# KiCad board Turbo_XT_Mainboard R3.kicad_pcb (continued)
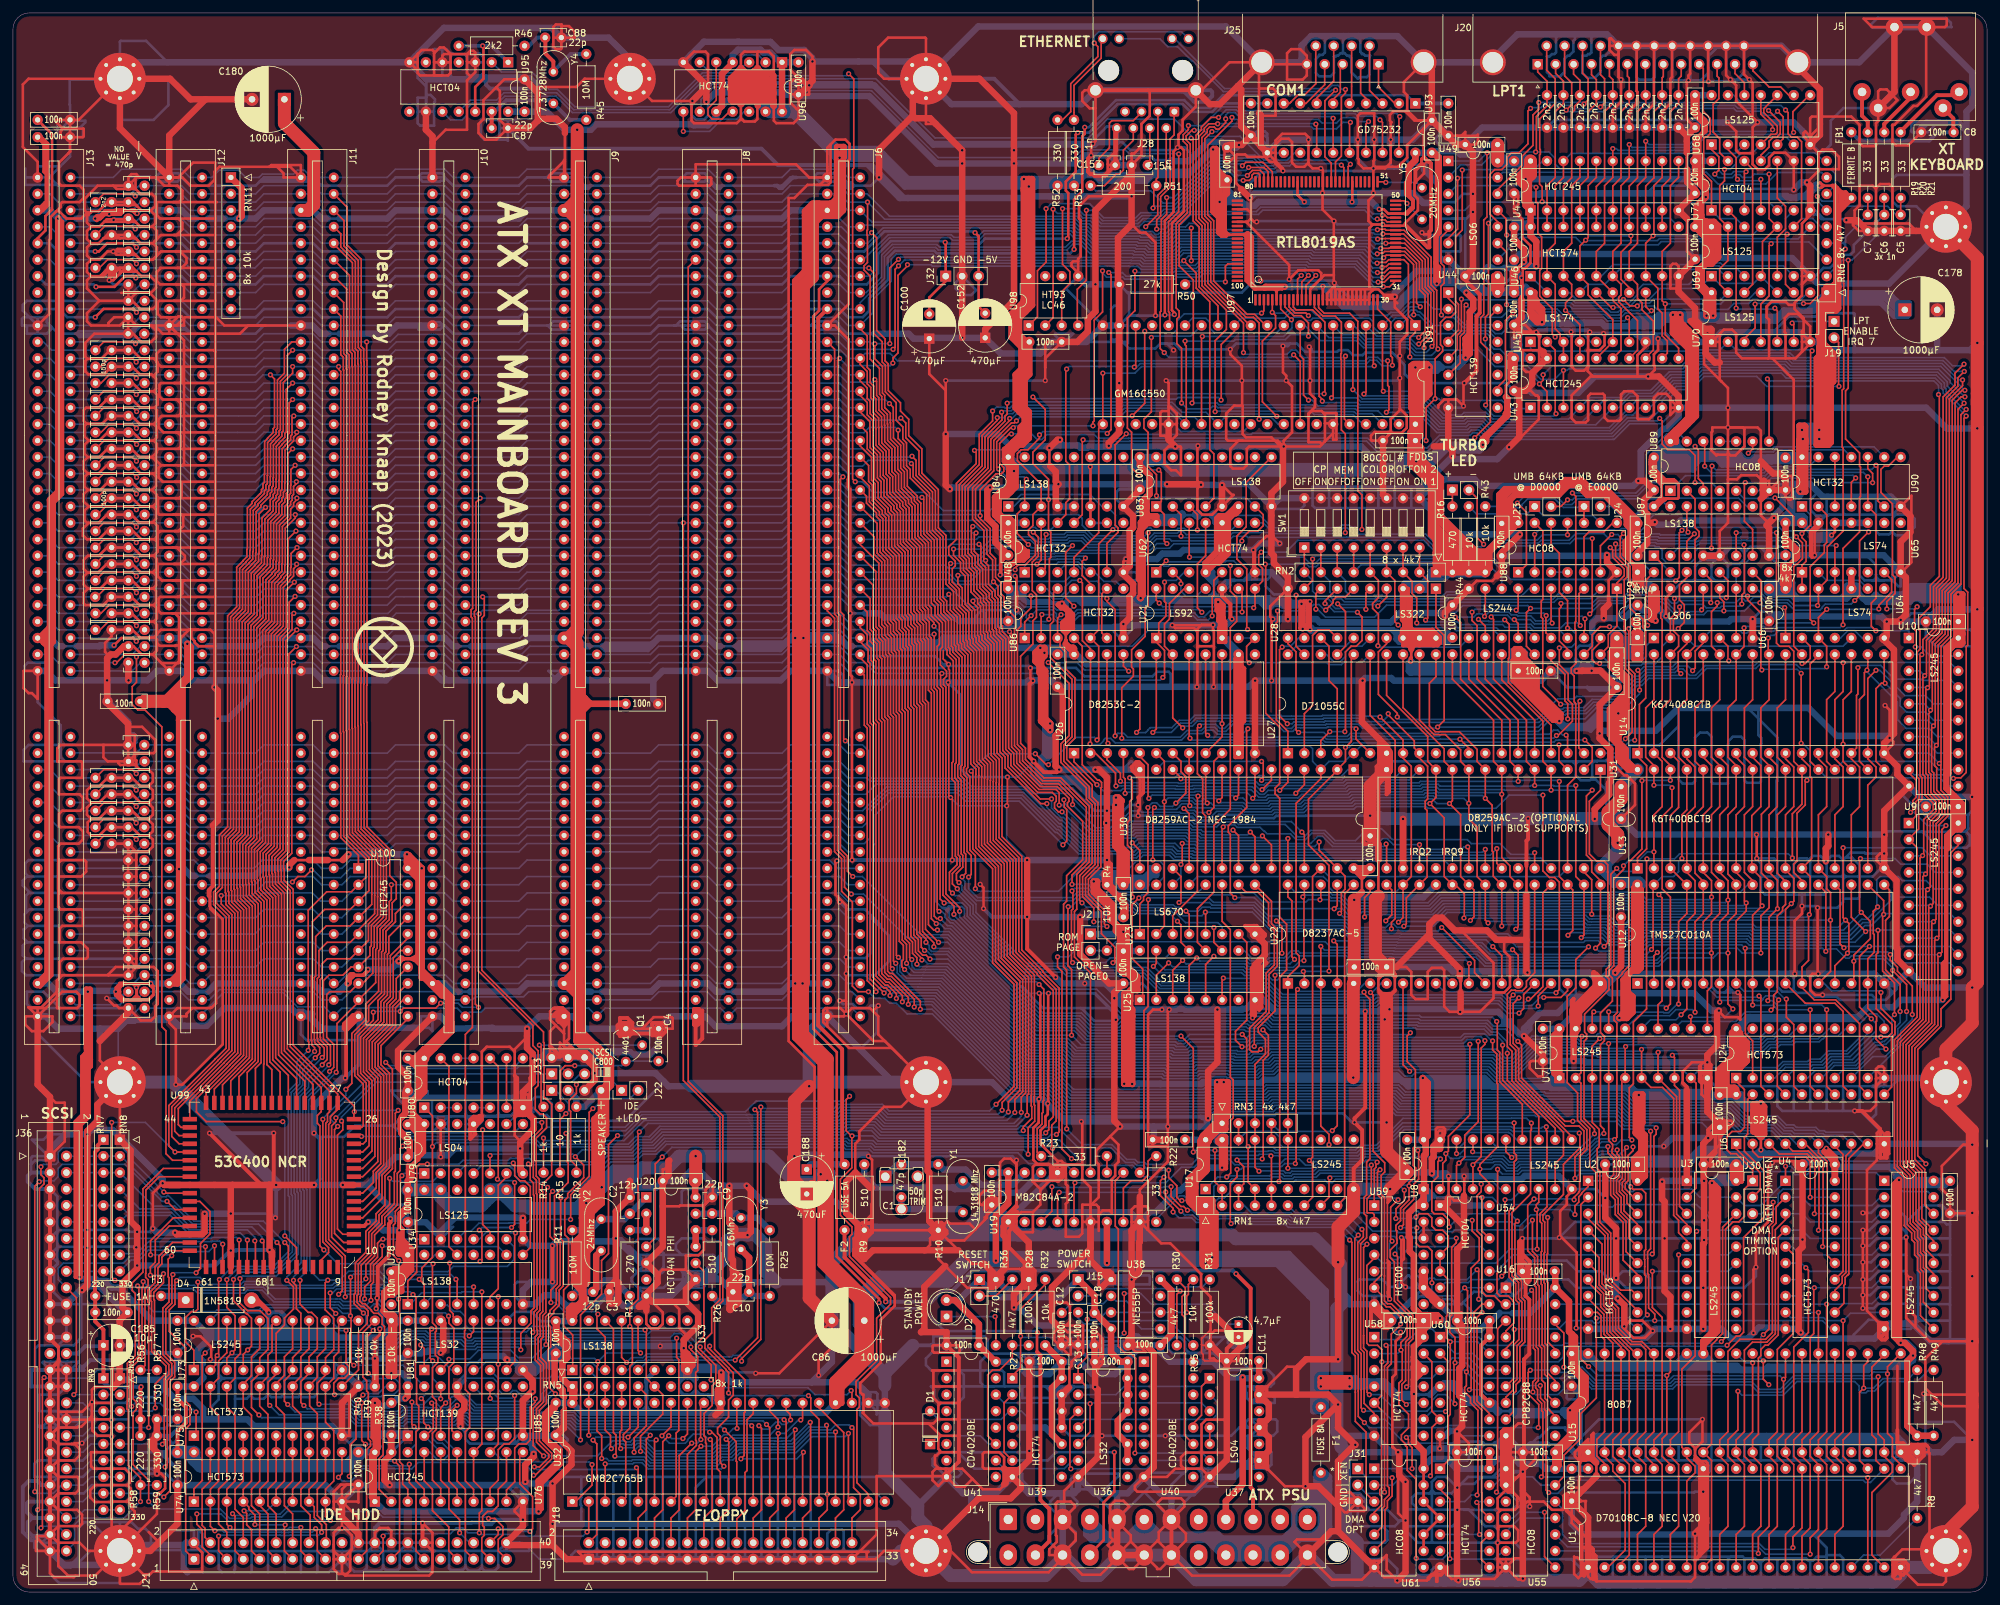
[diagram p0: board, top side]
## Routing (per net, layer and track width the routed paths; a pad name or vN(x,y) marks a point on that pad's centre or on a via; arc(x,y) is an arc through that point) (continued)
  Bottom w0.25: v1(44.32,48.13) 44.32,48.51 45.4,49.59 45.4,62.15 45.21,62.34 45.21,76.2 48.89,79.88 v1(48.89,80.39) ; v1(211.53,209.72) 211.45,209.64 210.32,209.64 210.06,209.91 179.44,209.91 178.45,208.91 177.33,208.91 177.16,208.74 176.02,208.74 175.55,209.21 174.16,209.21 173.98,209.39 167.41,209.39 165.97,210.83 164.64,210.83 163.94,211.54 132.63,211.54 J6.34 128.9,213.36 127.63,214.63 120.01,214.63 118.75,213.36 J8.34 108.58,213.36 107.31,214.63 99.69,214.63 98.42,213.36 J9.34 88.26,213.36 86.99,214.63 79.38,214.63 78.1,213.36 J10.34 67.94,213.36 66.67,214.63 59.05,214.63 57.78,213.36 J11.34 47.62,213.36 46.35,214.63 38.73,214.63 37.46,213.36 J12.34 27.3,213.36 26.03,214.63 C128.1 19.68,214.63 18.56,213.5 9.03,213.5 J13.34 ; U9.8 v1(297.05,100.97) ; v1(301.58,182.62) 301.19,182.62 298.48,185.33 298.48,185.77 298.21,186.05 298.21,186.68 296.98,187.91 273.98,187.91 273.23,188.66 260.8,188.66 258.77,186.63 256.49,186.63 252.74,182.88 U43.8 251.22,182.88 250.1,181.75 249.07,181.75 246.65,179.34 227.72,179.34 226.72,180.34 224.8,180.34 224.41,179.95 220.22,179.95 216.83,183.34 207.92,183.34 207.59,183.68 202.38,183.68 v1(202.16,183.9) ; v1(116.35,25.88) 115.79,26.43 87.33,26.43 86.44,27.33 81.87,27.33 81.68,27.13 70.72,27.13 70.2,27.65 68.24,27.65 67.71,27.13 65.5,27.13 65.07,27.56 63.69,27.56 63.65,27.61 60.37,27.61 59.77,27 53.65,27 52.38,28.27 45.45,28.27 v1(44.92,28.8) ; v1(297.42,127.96) 295.84,129.54 U10.8 ; U91.7 203.17,193.71 207.61,193.71 208.72,192.6 215.46,192.6 216.64,191.42 218.22,191.42 219.1,192.3 v1(219.1,192.35)
/D7: length 851.6
  Top w0.25: v1(301.58,181.59) 301.24,181.26 301.24,154.96 301.82,154.39 301.82,146.22 301.58,145.98 301.58,126.56 300.75,125.73 299.69,125.73 v1(299.6,125.64) ; U10.9 292.74,126.49 293.86,125.37 293.86,122.73 293.33,122.2 293.33,120.74 v1(292.99,120.4) ; v1(298.45,118.36) 297.82,117.74 297.82,98.82 v1(297.43,98.43) 297.22,98.21 297.22,87.54 293.65,83.97 293.65,66.81 295.19,65.27 295.19,59.78 296.54,58.42 ; v1(210.67,210.37) 210.75,210.44 211.84,210.44 212,210.29 214.78,210.29 218.96,206.12 218.96,201.86 219.83,201 219.83,192.13 v1(220.01,191.94) ; v1(48.61,48.16) 48.21,47.76 48.21,43.59 49.53,42.27 49.53,37.46 48.26,36.19 U73.9 48.26,33.53 46.99,32.26 46.99,29.27 v1(47.26,29) ; U91.8 198.75,190.88 199.26,190.37 199.26,184.82 v1(200.03,184.06) ; J11.33 51.56,213.87 51.56,208.03 53.77,205.82 53.77,192.37 54.16,191.98 54.16,190.03 54.22,189.97 54.22,140.23 54.16,140.17 54.16,134.15 54.22,134.09 54.22,117.99 57.66,114.55 57.66,106.81 57.65,106.8 57.65,104.01 56.23,102.6 56.23,99.42 56.01,99.2 56.01,94.11 U100.9 53.34,91.1 50.04,87.8 50.04,80.39 v1(49.91,80.26) ; U32.14 119.38,26.3 v1(119.07,26.61)
  Bottom w0.25: U10.9 293.53,126.2 299.04,126.2 v1(299.6,125.64) ; 296.8,118.36 296.61,118.36 ; 296.8,118.36 295.59,118.36 293.55,120.4 v1(292.99,120.4) ; 296.8,118.36 v1(298.45,118.36) ; U9.9 v1(297.43,98.43) ; v1(119.07,26.61) 118.8,26.88 87.52,26.88 86.63,27.78 81.68,27.78 81.49,27.58 70.9,27.58 70.38,28.1 68.05,28.1 67.53,27.58 65.69,27.58 65.25,28.01 63.88,28.01 63.83,28.06 60.18,28.06 59.58,27.45 53.83,27.45 52.29,29 v1(47.26,29) ; v1(220.01,191.94) 219.04,190.97 216.45,190.97 215.27,192.15 208.53,192.15 207.43,193.26 201.78,193.26 199.45,195.58 U91.8 ; v1(210.67,210.37) 183.46,210.37 182.47,211.36 181.59,211.36 181.04,210.81 179.07,210.81 178.07,209.81 176.96,209.81 176.79,209.64 176.39,209.64 175.92,210.11 174.56,210.11 174.37,210.29 167.78,210.29 166.34,211.73 165.01,211.73 164.31,212.44 135.35,212.44 131.89,215.9 J6.33 128.9,215.9 127.63,217.17 120.01,217.17 118.75,215.9 J8.33 108.46,215.9 107.19,217.17 99.69,217.17 98.42,215.9 J9.33 88.14,215.9 86.87,217.17 79.38,217.17 78.1,215.9 J10.33 67.94,215.9 66.67,217.17 59.05,217.17 57.78,215.9 J11.33 47.62,215.9 46.35,217.17 38.73,217.17 37.46,215.9 J12.33 27.3,215.9 26.03,217.17 C129.1 19.46,217.17 18.19,215.9 J13.33 ; U34.6 77.33,53.36 77.33,51.29 76.33,50.29 68,50.29 67.18,49.47 60.13,49.47 58.94,48.28 57.88,48.28 56.61,49.55 51.84,49.55 50.45,48.16 v1(48.61,48.16) 47.34,48.16 45.85,49.66 45.85,62.33 45.66,62.52 45.66,76.01 v1(49.91,80.26) ; v1(200.03,184.06) 200.59,184.06 201.48,183.17 207.46,183.17 207.73,182.89 216.65,182.89 220.04,179.5 224.6,179.5 224.98,179.89 226.54,179.89 227.54,178.89 246.84,178.89 249.25,181.3 253.06,181.3 U43.9 254.63,184.01 256.81,186.18 258.95,186.18 260.98,188.21 273.04,188.21 273.79,187.46 296.79,187.46 297.76,186.5 297.76,185.86 298.03,185.59 298.03,185.14 v1(301.58,181.59)
/D8: length 128.2
  Bottom w0.25: J6.91 128.9,106.68 127.63,107.95 120.01,107.95 118.75,106.68 J8.91 108.58,106.68 107.31,107.95 99.69,107.95 98.42,106.68 J9.91 88.26,106.68 86.99,107.95 79.38,107.95 78.1,106.68 J10.91 67.94,106.68 66.67,107.95 52.07,107.95 50.8,106.68 J11.91 47.5,106.68 46.23,107.95 38.61,107.95 37.34,106.68 J12.91 27.3,106.68 26.03,107.95 C169.1 19.05,106.68 J13.91
/D9: length 128.2
  Bottom w0.25: J13.92 19.05,104.14 C170.1 26.03,105.41 27.3,104.14 J12.92 37.46,104.14 38.73,105.41 46.35,105.41 47.62,104.14 J11.92 50.8,104.14 52.07,105.41 66.67,105.41 67.94,104.14 J10.92 78.1,104.14 79.38,105.41 86.99,105.41 88.26,104.14 J9.92 98.42,104.14 99.69,105.41 107.31,105.41 108.58,104.14 J8.92 118.75,104.14 120.01,105.41 127.63,105.41 128.9,104.14 J6.92
/D10: length 128.2
  Bottom w0.25: J6.93 128.9,101.6 127.63,102.87 120.01,102.87 118.75,101.6 J8.93 108.58,101.6 107.31,102.87 99.69,102.87 98.42,101.6 J9.93 88.26,101.6 86.99,102.87 79.38,102.87 78.1,101.6 J10.93 67.94,101.6 66.67,102.87 52.07,102.87 50.8,101.6 J11.93 47.62,101.6 46.35,102.87 38.61,102.87 37.34,101.6 J12.93 27.3,101.6 26.03,102.87 C171.1 19.05,101.6 J13.93
/D11: length 128.2
  Bottom w0.25: J6.94 128.9,99.06 127.63,100.33 120.01,100.33 118.75,99.06 J8.94 108.58,99.06 107.31,100.33 99.69,100.33 98.42,99.06 J9.94 88.26,99.06 86.99,100.33 79.38,100.33 78.1,99.06 J10.94 67.94,99.06 66.67,100.33 52.07,100.33 50.8,99.06 J11.94 47.62,99.06 46.35,100.33 38.73,100.33 37.46,99.06 J12.94 27.3,99.06 26.03,100.33 C172.1 19.05,99.06 J13.94
/D12: length 128.6
  Bottom w0.25: J13.95 19.05,96.52 C173.1 26.03,97.79 27.3,96.52 J12.95 37.46,96.52 38.73,97.79 46.35,97.79 47.62,96.52 J11.95 50.8,96.52 52.07,97.79 58.67,97.79 59.12,98.23 59.9,98.23 60.35,97.79 66.67,97.79 67.94,96.52 J10.95 78.1,96.52 79.38,97.79 86.99,97.79 88.26,96.52 J9.95 98.42,96.52 99.69,97.79 107.31,97.79 108.58,96.52 J8.95 118.75,96.52 120.01,97.79 127.63,97.79 128.9,96.52 J6.95
/D13: length 128.2
  Bottom w0.25: J13.96 18.62,93.98 19.89,95.25 C174.1 26.03,95.25 27.3,93.98 J12.96 30.48,95.25 48.26,95.25 J11.96 50.16,93.98 51.43,95.25 66.8,95.25 68.07,93.98 J10.96 78.1,93.98 79.38,95.25 86.99,95.25 88.26,93.98 J9.96 98.42,93.98 99.69,95.25 107.31,95.25 108.58,93.98 J8.96 118.75,93.98 120.01,95.25 127.63,95.25 128.9,93.98 J6.96
/D14: length 129.1
  Bottom w0.25: J13.97 9.63,90.7 16.53,90.7 17.25,91.42 19.03,91.42 C175.1 25.88,92.71 27.15,91.44 J12.97 30.29,91.44 31.88,93.03 41.88,93.03 42.21,92.71 46.35,92.71 47.62,91.44 J11.97 50.8,91.44 52.07,92.71 66.67,92.71 67.94,91.44 J10.97 70.93,91.44 71.4,91.91 78.83,91.91 79.63,92.71 86.97,92.71 88.24,91.44 J9.97 98.45,91.44 99.72,92.71 107.19,92.71 108.46,91.44 J8.97 118.75,91.44 120.01,92.71 129.54,92.71 J6.97
/D15: length 130.7
  Bottom w0.25: J13.98 9.03,89.04 18.36,89.04 19.49,90.17 C176.1 27.94,90.17 J12.98 29.21,89.28 32.51,92.58 41.7,92.58 43.93,90.35 48.08,90.35 J11.98 50.8,90.17 54.74,90.17 54.83,90.26 59.31,90.26 59.44,90.39 60.14,90.39 60.36,90.17 68.58,90.17 J10.98 70.48,89.53 72.26,89.53 72.9,90.17 88.9,90.17 J9.98 91.44,90.17 109.22,90.17 J8.98 111.76,90.17 125.29,90.17 125.35,90.23 129.48,90.23 J6.98
/DEN: length 31.7
  Top w0.25: v1(236.96,57.85) 236.96,52.24 236.85,52.14 236.85,47.94 237,47.8 237,38.6 238.12,37.47 U16.16
  Bottom w0.25: v1(236.96,57.85) 236.56,58.25 234.35,58.25 232.66,56.55 231.93,56.55 231.34,57.15 U54.13
/DENSEL: length 28.1
  Top w0.25: v1(89.57,23.46) 90.15,22.87 90.15,8.87 J18.2 ; U32.36 96.52,25.46 v1(94.97,23.91)
  Bottom w0.25: v1(89.57,23.46) 90.02,23.91 v1(94.97,23.91)
/DMA_ADSTB: length 95
  Top w0.25: v1(215.64,80.41) 214.63,81.42 U22.8
  Bottom w0.25: v1(215.64,80.41) 215.91,80.68 227.71,80.68 229.07,79.32 235.78,79.32 237.36,80.9 237.36,80.9 237.43,80.96 259.42,80.96 259.43,80.97 272.34,80.97 273.29,81.91 277.09,81.91 277.48,82.3 279.02,82.3 280.29,83.57 283.08,83.57 285.12,85.6 285.12,87.76 286.64,89.28 287.77,89.28 288.93,88.13 U24.11
/DMACLK: length 157.2
  Top w0.25: U22.12 224.79,96.98 v1(224.87,97.06) ; v1(169.84,97.18) 170.12,97.46 170.12,99.61 168.06,101.67 168.06,105.09 165.6,107.55 165.6,110.26 167.52,112.18 167.52,121.91 166.63,122.8 166.63,124.65 162.7,128.58 162.7,130.6 163.97,131.86 163.97,141.14 162.56,142.55 162.56,145.16 161.67,146.05 161.67,146.94 U86.3 161.29,150.39 v1(161.82,150.92) ; U62.11 184.15,160.04 182.88,158.77 182.88,151.98 v1(183.57,151.29)
  Bottom w0.25: v1(169.84,97.18) 170,97.34 176.6,97.34 177.84,96.1 189.89,96.1 190.3,95.68 194.24,95.68 194.56,96.01 197.89,96.01 198.49,96.61 205.58,96.61 206.61,97.65 212.63,97.65 212.69,97.58 224.35,97.58 v1(224.87,97.06) ; v1(183.57,151.29) 183.17,151.69 164.3,151.69 163.53,150.92 v1(161.82,150.92)
/DRQ1: length 317.6
  Top w0.25: C111.2 12.81,173.99 14.08,175.26 18.44,175.26 v1(19.06,174.63) ; v1(145.8,108.6) 145.05,109.36 145.05,110.96 146.21,112.12 146.21,113.56 145.96,113.82 145.96,125.18 145.43,125.7 145.43,127.86 145.63,128.07 145.63,143.99 144.66,144.96 144.66,145.66 144.44,145.88 144.44,150 143.27,151.18 143.27,152.65 142.7,153.22 142.7,162.61 141.52,163.78 141.52,169.68 138.98,172.22 138.98,173.98 v1(138.71,174.26) ; v1(236.35,91.82) 239,91.82 240.03,92.85 U22.18
  Bottom w0.25: v1(236.35,91.82) 235.78,91.82 234.53,90.57 230.87,90.57 229.67,91.77 213.14,91.77 213.11,91.79 210.54,91.79 210.13,91.39 195.66,91.39 193.41,93.64 177.25,93.64 174.89,96.01 163.08,96.01 162.44,96.64 156.34,96.64 148.24,104.74 148.24,106.03 145.8,108.47 v1(145.8,108.6) ; J13.18 5.71,175.26 6.98,173.99 C111.2 ; v1(19.06,174.63) 19.06,174.64 19.68,175.26 J12.18 26.03,175.26 27.3,173.99 37.46,173.99 38.73,175.26 J11.18 46.35,175.26 47.62,173.99 57.78,173.99 59.05,175.26 J10.18 66.67,175.26 67.94,173.99 78.1,173.99 79.38,175.26 J9.18 86.99,175.26 88.26,173.99 98.42,173.99 99.69,175.26 J8.18 107.31,175.26 108.58,173.99 118.75,173.99 120.01,175.26 J6.18 127.63,175.26 129.04,173.86 131.18,173.86 132.08,174.75 138.21,174.75 v1(138.71,174.26)
/DRQ2: length 550.5
  Top w0.25: v1(112.39,20.57) 112.89,21.06 112.89,27.67 113.03,27.81 113.03,32.77 108.33,37.46 108.33,43.69 109.6,44.96 109.6,73.53 104.27,78.87 104.27,204.6 J8.6 ; v1(132.15,204.46) 132.9,203.71 132.9,194.38 134.21,193.07 134.21,189.94 134.7,189.45 134.7,185.34 136.36,183.67 136.36,180.94 137.4,179.91 137.4,178.02 137.96,177.45 137.96,173.93 138.53,173.36 138.53,172.04 141.07,169.5 141.07,163.59 142.25,162.42 142.25,153.03 142.82,152.46 142.82,150.99 143.99,149.81 143.99,145.69 144.21,145.47 144.21,144.77 145.18,143.8 145.18,128.25 144.98,128.05 144.98,125.51 145.51,124.99 145.51,113.63 145.76,113.38 145.76,112.31 144.6,111.14 144.6,108.4 v1(145.06,107.93) ; U32.15 121.92,21.46 v1(122.05,21.59) ; U22.17 237.43,93.98 235.5,92.05 v1(235.5,90.49) ; v1(19.06,205.11) 18.44,205.74 14.6,205.74 13.33,204.47 C102.2
  Bottom w0.25: J13.6 5.71,205.74 6.98,204.47 C102.2 ; v1(235.5,90.49) 235.13,90.12 230.69,90.12 229.49,91.32 212.95,91.32 212.93,91.34 210.72,91.34 210.32,90.94 195.47,90.94 193.22,93.19 177.07,93.19 174.7,95.56 162.89,95.56 162.26,96.19 156.16,96.19 147.79,104.55 147.79,105.85 146.11,107.53 145.46,107.53 v1(145.06,107.93) ; v1(112.39,20.57) 121.03,20.57 v1(122.05,21.59) ; v1(19.06,205.11) 19.06,205.12 19.68,205.74 J12.6 26.03,205.74 27.3,204.47 37.37,204.47 38.64,205.74 J11.6 46.35,205.74 47.62,204.47 57.78,204.47 59.05,205.74 J10.6 66.67,205.74 67.94,204.47 78.1,204.47 79.38,205.74 J9.6 86.99,205.74 88.26,204.47 98.42,204.47 99.69,205.74 J8.6 107.31,205.74 108.58,204.47 118.75,204.47 120.01,205.74 J6.6 127.63,205.74 128.91,204.46 v1(132.15,204.46)
/DRQ3: length 319.5
  Top w0.25: C109.2 13.59,179.07 14.86,180.34 18.44,180.34 v1(19.06,179.71) ; U22.16 233.25,92.28 233.25,90.1 v1(232.54,89.39) ; v1(136.67,179.42) 136.67,178.11 137.51,177.27 137.51,173.74 138.08,173.17 138.08,170.77 139.62,169.23 139.62,168.69 140.17,168.14 140.17,163.22 141.35,162.05 141.35,152.39 141.8,151.94 141.8,150.74 143.04,149.5 143.04,146.36 142.7,146.02 142.7,139.82 143.15,139.37 143.15,107.03 v1(143.77,106.41)
  Bottom w0.25: v1(136.67,179.42) 136.26,179.83 132.21,179.83 131.4,179.02 128.95,179.02 127.63,180.34 J6.16 120.01,180.34 118.75,179.07 108.58,179.07 107.31,180.34 J8.16 99.69,180.34 98.42,179.07 88.26,179.07 86.99,180.34 J9.16 79.38,180.34 78.1,179.07 67.94,179.07 66.67,180.34 J10.16 59.05,180.34 57.78,179.07 47.62,179.07 46.35,180.34 J11.16 38.73,180.34 37.46,179.07 27.3,179.07 26.03,180.34 J12.16 19.68,180.34 19.06,179.72 v1(19.06,179.71) ; C109.2 6.98,179.07 5.71,180.34 J13.16 ; v1(232.54,89.39) 230.77,89.39 229.3,90.87 212.77,90.87 212.74,90.89 210.91,90.89 210.5,90.49 195.29,90.49 193.06,92.71 176.91,92.71 174.52,95.11 162.7,95.11 162.07,95.74 155.97,95.74 147.34,104.37 147.34,105.66 146.6,106.41 v1(143.77,106.41)
/DSW1: length 53.9
  Top w0.25: SW1.1 RN2.9
  Bottom w0.25: U29.2 243.59,153.42 238.51,153.42 237.93,152.84 223.59,152.84 222.88,153.54 221.77,153.54 221.14,152.91 211.18,152.91 211.07,153.02 210.57,153.02 210.46,152.91 205.57,152.91 205.12,153.36 203.74,153.36 203.29,153.81 201.39,153.81 200.66,154.54 200.66,156.21 RN2.9
/DSW2: length 45.9
  Top w0.25: SW1.2 RN2.8
  Bottom w0.25: U29.4 239.23,154.14 238.6,154.14 237.74,153.29 223.78,153.29 223.07,153.99 221.56,153.99 220.93,153.36 211.36,153.36 211.25,153.47 210.39,153.47 210.28,153.36 205.79,153.36 205.34,153.81 203.93,153.81 203.34,154.4 203.34,156.07 RN2.8
/DSW3: length 37.9
  Top w0.25: SW1.3 RN2.7
  Bottom w0.25: RN2.7 205.74,156.21 205.74,154.54 206.47,153.81 210.09,153.81 210.2,153.92 211.44,153.92 211.55,153.81 220.74,153.81 221.37,154.44 223.26,154.44 223.89,153.81 232.93,153.81 234.06,154.94 U29.6
/DSW4: length 29.6
  Top w0.25: SW1.4 RN2.6
  Bottom w0.25: U29.8 229.87,156.61 227.86,158.61 208.14,158.61 RN2.6
/DSW5: length 31.2
  Top w0.25: v1(210.74,146.13) 210.82,146.2 210.82,151 209.93,151.89 209.93,152.65 210.82,153.54 210.82,156.21 RN2.5 SW1.5
  Bottom w0.25: U29.11 223.38,145.91 210.96,145.91 v1(210.74,146.13)
/DSW6: length 29.5
  Top w0.25: v1(213.87,149.33) 213.36,149.84 213.36,156.21 RN2.4 SW1.6
  Bottom w0.25: v1(213.87,149.33) 214.29,148.91 222.41,148.91 222.86,148.45 228.74,148.45 U29.13
/DSW7: length 31.7
  Top w0.25: SW1.7 RN2.3 216.03,156.08 216.03,154.2 216.75,153.48 v1(216.75,149.64)
  Bottom w0.25: v1(216.75,149.64) 217.02,149.36 222.59,149.36 223.05,148.9 229.05,148.9 229.49,148.46 233.81,148.46 U29.15
/DSW8: length 34.9
  Top w0.25: v1(218.11,150.08) 218.44,150.41 218.44,156.21 RN2.2 SW1.8
  Bottom w0.25: U29.17 238.9,148.45 234.71,148.45 234.18,148.98 230.4,148.98 229.97,149.4 223.47,149.4 223.06,149.81 218.38,149.81 v1(218.11,150.08)
/DT_~{R}: length 89.5
  Top w0.25: U16.4 230.5,40.3 231.77,41.57 231.77,44.7 231.57,44.91 231.57,45.04 230.89,45.72 229.59,45.72 229.14,46.17 229.14,49.19 229.23,49.27 v1(229.23,65.28)
  Bottom w0.25: v1(229.23,65.28) 229.96,64.56 232.46,64.56 233,65.09 244.43,65.09 244.61,64.91 274.68,64.91 275.13,64.46 277.03,64.46 277.34,64.77 287.65,64.77 U5.1
/FDC_CLK: length 44.9
  Top w0.25: v1(107.8,32.77) 107.8,35.09 105.39,37.5 105.39,38.19 106.68,39.48 106.68,49.53 U20.10 ; v1(129.41,31.12) 129.54,30.99 U32.23
  Bottom w0.25: v1(107.8,32.77) 109,31.56 122.75,31.56 123.82,30.48 128.78,30.48 v1(129.41,31.12)
/HOLDA: length 112.5
  Top w0.25: v1(216.66,5.21) 216.66,17.4 215.26,18.8 215.26,22.36 215.02,22.61 215.01,22.61 215.01,22.86 214.38,23.5 214.38,24.26 215.48,25.36 215.48,27.47 214,28.96 214,32.26 214.5,32.77 214.5,37.17 v1(214.3,37.37) 214.3,38.54 215.25,39.49 215.25,42.08 212.83,44.51 212.21,44.51 211.76,44.97 211.76,48.8 211.76,48.8 211.76,60.91 211.25,61.42 211.25,64.32 211.8,64.86 211.8,66.28 210.01,68.07 210.01,92.17 v1(209.61,92.57)
  Bottom w0.25: U58.2 213.77,36.83 v1(214.3,37.37) ; U56.9 222,6.35 220.73,5.08 216.79,5.08 v1(216.66,5.21) ; v1(209.61,92.57) 209.81,92.57 211.22,93.98 U22.7
/HRQ_DMA: length 128.2
  Top w0.25: v1(241.17,63.88) 241.17,67.18 242.56,68.57 242.56,71.21 241.81,71.97 239.69,71.97 232.48,79.18 232.48,83.88 231.63,84.73 231.63,90.85 v1(232.52,91.74) ; v1(249.77,62.58) 250.17,62.18 251.51,62.18 252.09,61.6 252.09,52.89 251.9,52.69 251.9,51.39 251.95,51.34 251.95,50.26 251.94,50.25 251.94,49 252.09,48.84 252.09,43.05 v1(252.35,42.8) ; v1(244.47,42.29) 244.47,29.97 242.06,27.56 242.06,23.73 239.48,21.15 239.48,17.87 U55.13
  Bottom w0.25: v1(244.47,42.29) 244.91,42.29 244.98,42.36 249.61,42.36 250.06,41.91 251.33,41.91 252.22,42.8 v1(252.35,42.8) ; U55.13 235.9,16.51 234.63,17.78 229.98,17.78 228.71,16.51 U56.13 ; U22.10 221.02,92.67 230.08,92.67 231.28,91.47 231.97,91.47 232.25,91.74 v1(232.52,91.74) ; v1(241.17,63.88) 241.92,64.63 244.27,64.63 244.63,64.26 248.16,64.26 248.16,64.19 v1(249.77,62.58)
/IDE_D0: length 56.1
  Top w0.25: J21.17 46.99,6.35 46.99,8.64 46.93,8.7 46.93,9.59 v1(46.74,9.78) ; v1(31.17,9.47) 30.48,10.16 U74.2 30.48,15.88 31.75,17.14 31.75,27.31 30.48,28.57 U75.19 31.75,33.02 31.75,35.68 33.02,36.95 U73.18
  Bottom w0.25: v1(46.74,9.78) 46.2,9.25 42.61,9.25 42.56,9.2 41.5,9.2 41.45,9.25 32.59,9.25 32.37,9.47 v1(31.17,9.47)
/IDE_D1: length 50.9
  Top w0.25: J21.15 44.45,6.35 v1(44.45,9.97) ; U73.17 35.11,41.46 35.11,36.84 34.29,36.02 34.29,33.02 U75.18 33.02,28.57 34.29,27.31 34.29,17.14 33.02,15.88 U74.3 33.02,10.46 v1(33.51,9.97)
  Bottom w0.25: v1(44.45,9.97) 42.7,9.97 42.38,9.65 41.68,9.65 41.64,9.7 37.7,9.7 33.78,9.7 v1(33.51,9.97)
/IDE_D2: length 44.9
  Top w0.25: J21.13 41.91,6.35 41.91,10.25 v1(42.03,10.37) ; U73.16 38.1,37.59 36.83,36.32 36.83,33.4 35.56,32.13 U75.17 35.56,28.57 36.83,27.31 36.83,17.14 35.56,15.88 U74.4 36.41,13.12 36.41,12.83 37.35,11.88 v1(37.35,10.42)
  Bottom w0.25: v1(37.35,10.42) 37.4,10.37 v1(42.03,10.37)
/IDE_D3: length 40
  Top w0.25: J21.11 39.37,6.35 39.37,12.06 38.1,13.33 U74.5 38.1,15.88 39.37,17.14 39.37,27.43 38.1,28.7 U75.16 38.1,32 39.37,33.27 39.37,36.57 40,37.2 40,41.27 U73.15
/IDE_D4: length 44.1
  Top w0.25: U73.14 43.18,37.59 41.91,36.32 41.91,33.47 40.64,32.2 U75.15 40.64,28.7 41.91,27.43 41.91,17.14 40.64,15.88 U74.6 ; v1(35.69,12.55) 36.09,12.15 36.09,10.4 36.83,9.65 36.83,6.35 J21.9
  Bottom w0.25: U74.6 39.22,12.55 v1(35.69,12.55)
/IDE_D5: length 48
  Top w0.25: J21.7 34.29,6.35 34.29,11.72 v1(33.91,12.1) ; U74.7 43.18,15.88 44.45,17.14 44.45,27.43 43.18,28.7 U75.14 43.18,32 44.45,33.27 44.45,36.32 45.72,37.59 U73.13
  Bottom w0.25: U74.7 41.26,12.05 36.63,12.05 36.41,11.82 34.18,11.82 v1(33.91,12.1)
/IDE_D6: length 55.9
  Top w0.25: v1(47.66,9.23) 47.66,10.38 46.52,11.52 46.52,13.17 U74.8 45.72,15.88 46.99,17.14 46.99,27.56 45.81,28.74 45.81,31.66 U75.13 45.72,31.88 46.99,33.15 46.99,36.32 48.26,37.59 U73.12 ; J21.5 31.75,6.35 v1(31.75,8.64)
  Bottom w0.25: v1(31.75,8.64) 31.91,8.8 41.26,8.8 41.31,8.75 42.75,8.75 42.8,8.8 47.23,8.8 v1(47.66,9.23)
/IDE_D7: length 65
  Top w0.25: U73.11 50.29,41.4 50.29,37.08 49.53,36.32 49.53,33.02 U75.12 48.26,26.23 49.53,24.96 49.53,17.14 48.26,15.88 U74.9 48.26,11.68 48.89,11.05 v1(49.02,11.05) ; J21.3 30.48,5.71 29.21,6.99 29.21,9.65 28.38,10.48 v1(28.38,12.06)
  Bottom w0.25: v1(49.02,11.05) 48.93,11.15 37.05,11.15 36.83,10.92 33.27,10.92 32.13,12.06 v1(28.38,12.06) ; U73.11 R40.1
/IDE_D8: length 17.6
  Top w0.25: J21.4 29.66,8.44 29.66,9.84 29.21,10.29 29.21,15.88 30.48,17.14 U74.19 U75.2
/IDE_D9: length 17.6
  Top w0.25: U75.3 U74.18 33.02,17.14 31.75,15.88 31.75,10.52 33.02,9.25 J21.6
/IDE_D10: length 17.6
  Top w0.25: J21.8 35.56,11.52 34.29,12.79 34.29,15.88 35.56,17.14 U74.17 U75.4
/IDE_D11: length 17.6
  Top w0.25: U75.5 U74.16 38.1,17.14 36.83,15.88 36.83,13.33 38.1,12.06 J21.10
/IDE_D12: length 17.6
  Top w0.25: J21.12 40.64,12.06 39.37,13.33 39.37,15.88 40.64,17.14 U74.15 U75.6
/IDE_D13: length 17.6
  Top w0.25: U75.7 U74.14 43.18,17.14 41.91,15.88 41.91,13.33 43.18,12.06 J21.14
/IDE_D14: length 17.7
  Top w0.25: U75.8 U74.13 45.72,17.14 44.45,15.88 44.45,13.33 45.89,11.9 45.89,7.79 J21.16
/IDE_D15: length 17.7
  Top w0.25: J21.18 48.39,7.75 48.39,10.41 46.99,11.81 46.99,15.88 48.26,17.14 U74.12 U75.9
/INT: length 229.8
  Top w0.25: v1(234.86,60.71) 233.88,59.73 233.88,52.7 234.95,51.63 234.95,47.3 235.2,47.05 235.2,37.85 235.52,37.54 235.52,32.64 235.1,32.23 235.1,31.54 235.4,31.24 235.4,29.78 236.04,29.14 236.04,28 236.22,27.81 236.22,18.02 v1(235.98,17.78) ; v1(241.04,60.57) 241.04,60.96 241.74,61.65 241.74,61.78 241.9,61.94 241.9,67.27 243.01,68.38 243.01,71.4 241.57,72.84 241.57,77.07 239.97,78.68 239.97,91.96 241.3,93.3 241.3,97.67 v1(243.27,99.64) ; v1(180.05,106.47) 180.34,106.76 180.34,110.49 U30.17 ; U1.18 v1(286.38,17.65)
  Bottom w0.25: v1(235.98,17.78) 236.55,17.78 236.57,17.76 261.84,17.76 261.85,17.78 286.25,17.78 v1(286.38,17.65) ; v1(243.27,99.64) 232.16,99.64 230.62,101.18 214.18,101.18 214.12,101.25 207.33,101.25 205.67,102.91 194.72,102.91 191.57,106.06 185.16,106.06 184.75,106.47 v1(180.05,106.47) ; v1(241.04,60.57) 240.91,60.71 v1(234.86,60.71)
/INTCAS0: length 40.1
  Top w0.25: U30.12 180.32,125.75 v1(180.32,125.6)
  Bottom w0.25: U31.12 215.58,125.41 205.81,125.41 205.38,124.97 193.48,124.97 193.14,124.63 192.43,124.63 191.71,125.35 184.17,125.35 184.09,125.42 180.49,125.42 v1(180.32,125.6)
/INTCAS1: length 42.4
  Top w0.25: v1(192.79,125.36) 193.04,125.61 193.04,128.02 v1(192.79,128.27)
  Bottom w0.25: U30.13 177.8,128.27 v1(192.79,128.27) ; v1(192.79,125.36) 192.85,125.42 205.2,125.42 205.65,125.87 213.5,125.87 U31.13
/INTCAS2: length 49.2
  Top w0.25: v1(212.02,115.5) 212.09,115.43 U31.15 ; v1(172.81,115.7) 173.99,114.52 U30.15
  Bottom w0.25: v1(172.81,115.7) 173.09,115.7 173.72,116.33 180.86,116.33 181.29,115.9 182.69,115.9 183,115.59 200.36,115.59 201.48,116.7 202.19,116.7 203.76,115.14 211.66,115.14 v1(212.02,115.5)
/IOCHRDY: length 483.9
  Top w0.25: U97.35 212.45,205.09 212.05,204.69 211.52,204.69 v1(211.38,204.55) ; J6.41 130.81,195.07 131.9,193.98 131.9,189.12 132.35,188.67 132.35,186.76 132.9,186.21 132.9,184.6 133.25,184.25 133.25,182.34 134.11,181.47 134.11,180.01 134.15,179.98 134.15,177.45 135.26,176.34 135.26,172.81 135.83,172.24 135.83,169.84 137.37,168.3 137.37,167.76 137.92,167.21 137.92,162.29 139.1,161.12 139.1,151.46 139.55,151.01 139.55,149.81 140.13,149.22 140.13,147.04 140.45,146.72 140.45,137.58 140.9,137.13 140.9,102.34 v1(142.91,100.33) ; v1(215.76,86.36) 215.26,85.87 215.26,81.91 216.53,80.65 216.53,68.89 216.19,68.55 216.19,65.87 216.59,65.48 216.59,64.25 215.56,63.21 v1(215.56,62.73) 215.56,60.56 214.25,59.25 214.25,57.35 213.52,56.63 213.52,55.91 213.65,55.79 213.65,54.39 213.7,54.34 213.7,53.86 212.66,52.82 212.66,51.63 213.29,51 213.29,44.94 215.7,42.53 215.7,39.3 215.03,38.62 215.03,32.66 214.45,32.07 214.45,29.65 v1(215.14,28.96) ; v1(203.33,63.95) 203.2,63.82 203.2,60.96 RN1.8
  Bottom w0.25: J13.41 18.31,195.58 19.58,196.85 C150.2 26.03,196.85 27.3,195.58 J12.41 37.46,195.58 38.73,196.85 46.35,196.85 47.62,195.58 J11.41 57.78,195.58 59.05,196.85 66.67,196.85 67.94,195.58 J10.41 78.1,195.58 79.38,196.85 86.99,196.85 88.26,195.58 J9.41 98.42,195.58 99.69,196.85 107.31,196.85 108.58,195.58 J8.41 118.75,195.58 120.01,196.85 127.63,196.85 128.9,195.58 J6.41 132.71,197.49 132.71,199.52 135.61,202.41 135.61,205.8 136.39,206.59 142.03,206.59 142.53,206.09 172.84,206.09 172.88,206.06 174.24,206.06 174.71,205.59 178.47,205.59 178.64,205.76 179.75,205.76 180.75,206.76 200.39,206.76 200.73,206.41 208.02,206.41 209.96,204.47 211.31,204.47 v1(211.38,204.55) ; v1(142.91,100.33) 144.3,100.33 157.92,86.71 163.85,86.71 165.61,84.95 179.53,84.95 179.81,84.68 180.89,84.68 181.6,85.39 190.3,85.39 191,86.09 215.48,86.09 v1(215.76,86.36) ; v1(215.14,28.96) 215.39,29.21 U58.10 ; v1(203.33,63.95) 203.58,64.2 210.24,64.2 210.4,64.04 213.55,64.04 214.76,62.83 215.45,62.83 v1(215.56,62.73)
/IRQ0: length 23.7
  Top w0.25: v1(180.8,121) 181.61,120.19 U30.18 ; U26.10 185.42,128.27 185.42,121.15 v1(184.65,120.38)
  Bottom w0.25: v1(184.65,120.38) 182.75,120.38 182.42,120.71 181.36,120.71 181.07,121 v1(180.8,121)
/IRQ1: length 157.7
  Top w0.25: U30.19 184.15,119.83 183.68,120.3 183.68,122.55 183.7,122.58 183.7,125.55 182.88,126.37 182.88,133.44 v1(183.2,133.76) ; U66.3 258.44,146.45 257.12,145.12 257.12,142.22 v1(257.52,141.82) ; U28.1 219.71,148.99 220.98,147.72 220.98,134.59 v1(219.96,133.57)
  Bottom w0.25: U66.3 259.71,146.05 282.57,146.05 283.84,147.32 ; v1(183.2,133.76) 183.43,133.99 185.71,133.99 186.33,133.37 187.09,133.37 188.2,134.48 195.28,134.48 196.41,133.35 197.41,133.35 197.97,133.92 199.04,133.92 199.05,133.9 202.65,133.9 202.78,134.03 207.72,134.03 208.32,133.43 219.82,133.43 v1(219.96,133.57) 235.55,133.57 237.87,135.89 239.48,135.89 239.7,136.11 242.72,136.11 244.02,137.4 248.29,137.4 249.68,138.79 249.68,139.53 250.67,140.53 251.38,140.53 252.4,141.55 257.25,141.55 v1(257.52,141.82)
